# KiCad board Top PCB.kicad_pcb
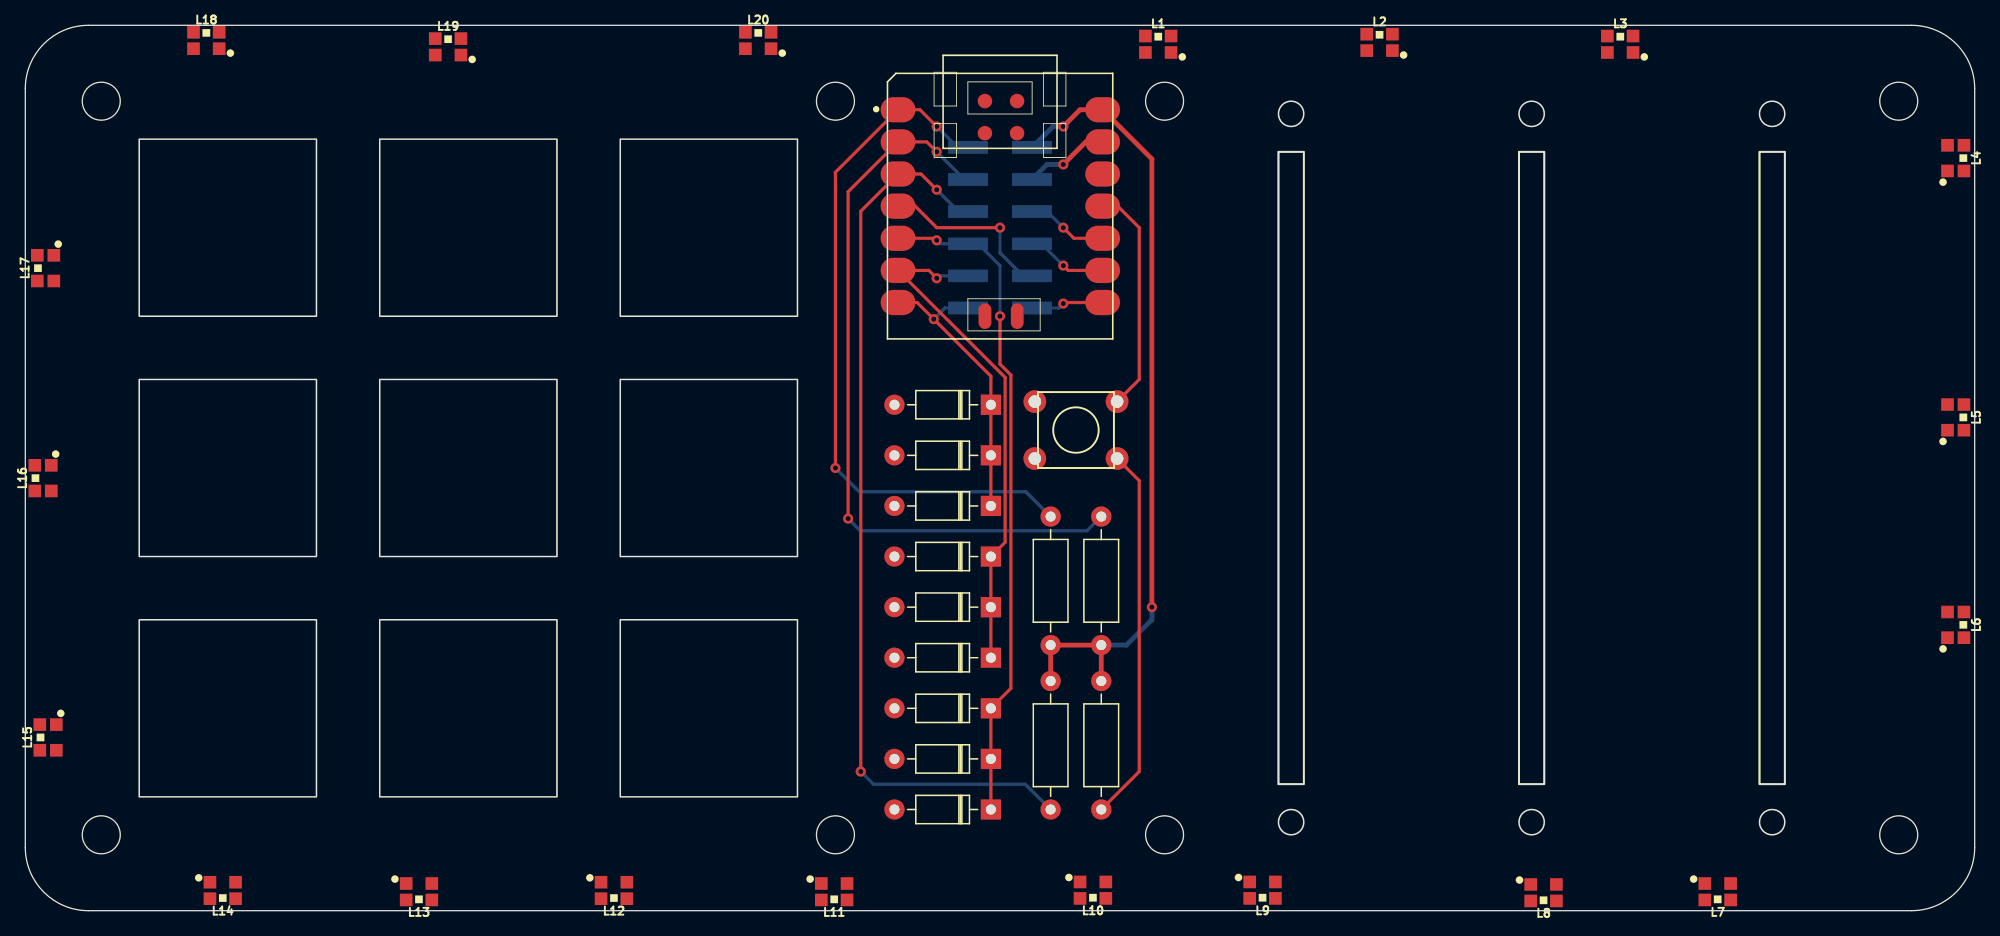
[diagram p0: board, top side]
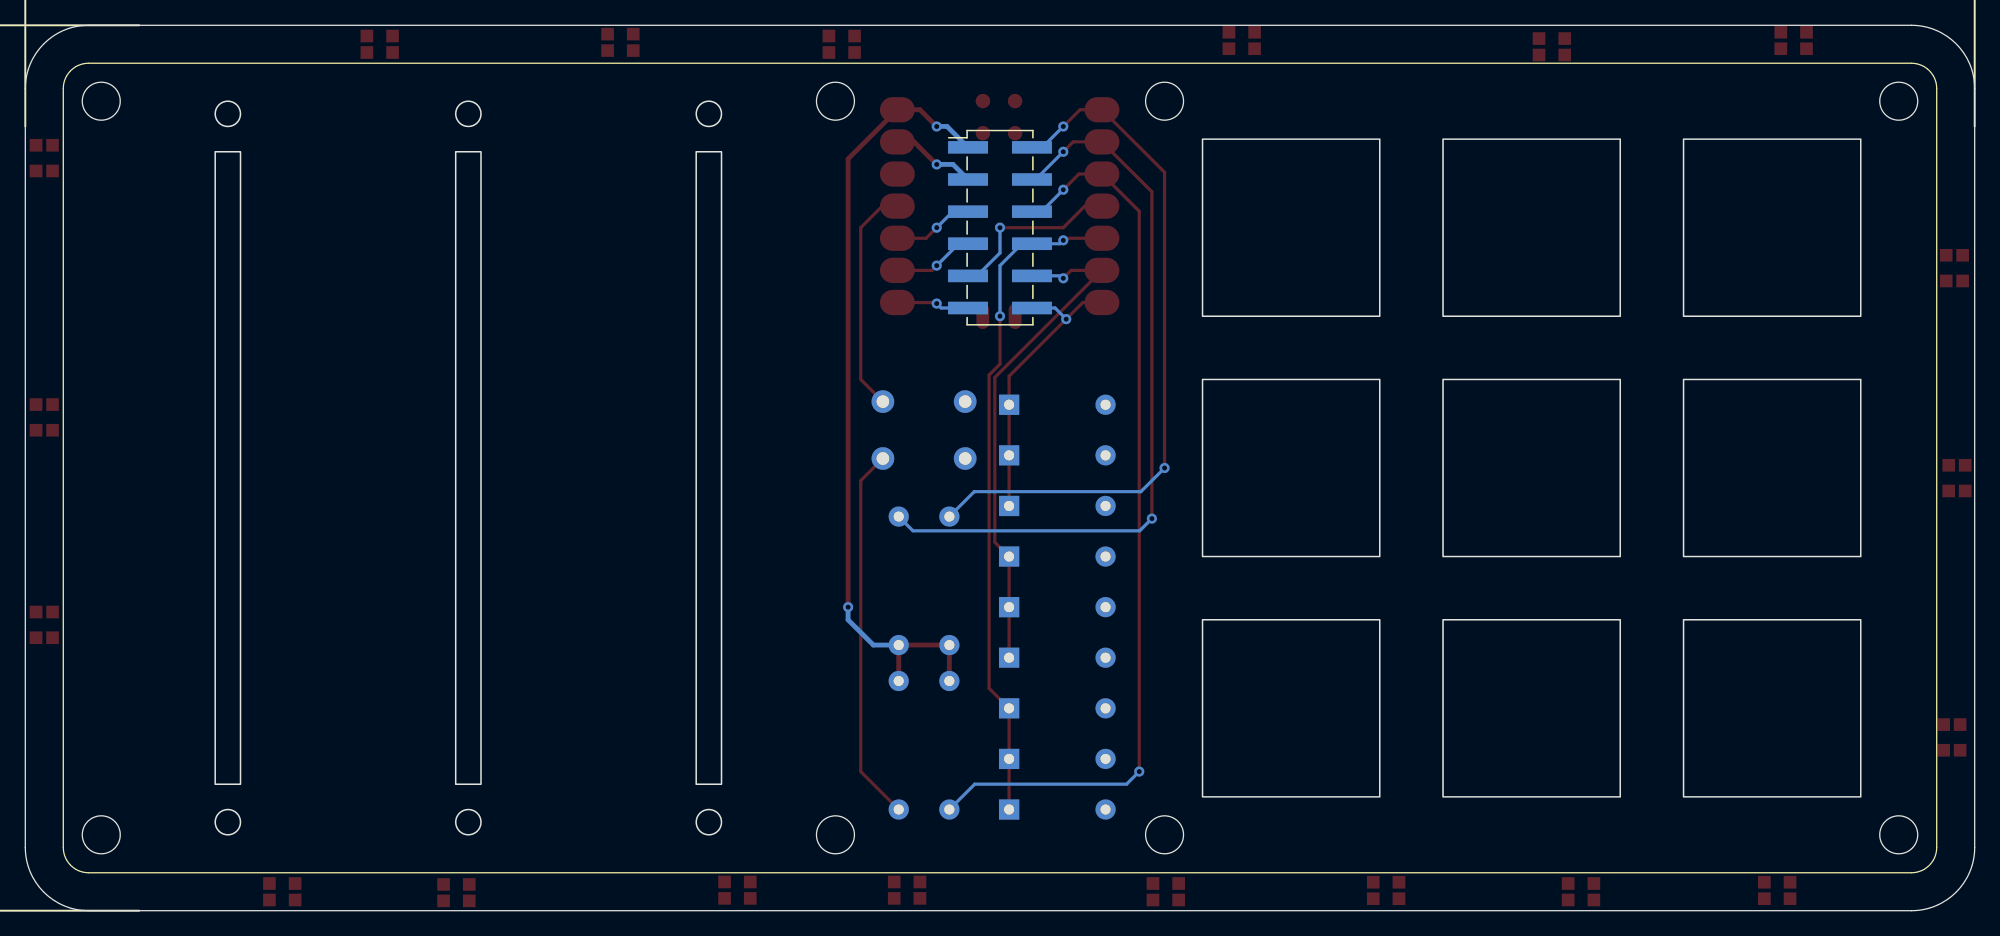
[diagram p1: board, bottom side, seen from below]

Outline 154 x 70 mm; copper layers: Top, Bottom. Coordinates in mm from the lower left corner of the outline.
Outline path: circle c6,64 r1.5 ; circle c6,6 r1.5 ; circle c64,64 r1.5 ; circle c64,6 r1.5 ; circle c90,64 r1.5 ; circle c90,6 r1.5 ; circle c148,64 r1.5 ; circle c148,6 r1.5 ; 0,65 arc(1.46,68.54) 5,70 149,70 arc(152.54,68.54) 154,65 154,5 arc(152.54,1.46) 149,0 5,0 arc(1.46,1.46) 0,5 0,65
Stack: Top 0.035mm / dielectric 1.51mm FR4 er 4.5 / Bottom 0.035mm

## Placement (name value [footprint] x y rotation side)
D1  1N4148  [D_DO-35_SOD27_P7.62mm_Horizontal]  76.28 8 180 top
D2  1N4148  [D_DO-35_SOD27_P7.62mm_Horizontal]  76.28 12 180 top
D3  1N4148  [D_DO-35_SOD27_P7.62mm_Horizontal]  76.28 16 180 top
D4  1N4148  [D_DO-35_SOD27_P7.62mm_Horizontal]  76.28 20 180 top
D5  1N4148  [D_DO-35_SOD27_P7.62mm_Horizontal]  76.28 24 180 top
D6  1N4148  [D_DO-35_SOD27_P7.62mm_Horizontal]  76.28 28 180 top
D7  1N4148  [D_DO-35_SOD27_P7.62mm_Horizontal]  76.28 32 180 top
D8  1N4148  [D_DO-35_SOD27_P7.62mm_Horizontal]  76.28 36 180 top
D9  1N4148  [D_DO-35_SOD27_P7.62mm_Horizontal]  76.28 40 180 top
J1  Conn_02x06_Counter_Clockwise  [PinHeader_2x06_P2.54mm_Vertical_SMD]  77 54 180 bottom
L1  -  [WS2812B-2020]  89.5 68.5 0 top
L2  -  [WS2812B-2020]  106.99 68.65 0 top
L3  -  [WS2812B-2020]  126 68.5 0 top
L4  -  [WS2812B-2020]  152.5 59.5 270 top
L5  -  [WS2812B-2020]  152.5 39 270 top
L6  -  [WS2812B-2020]  152.5 22.6 270 top
L7  -  [WS2812B-2020]  133.7 1.5 180 top
L8  -  [WS2812B-2020]  119.94 1.42 180 top
L9  -  [WS2812B-2020]  97.74 1.62 180 top
L10  -  [WS2812B-2020]  84.34 1.62 180 top
L11  -  [WS2812B-2020]  63.9 1.5 180 top
L12  -  [WS2812B-2020]  46.5 1.6 180 top
L13  -  [WS2812B-2020]  31.1 1.5 180 top
L14  -  [WS2812B-2020]  15.6 1.6 180 top
L15  -  [WS2812B-2020]  1.8 13.7 90 top
L16  -  [WS2812B-2020]  1.4 34.2 90 top
L17  -  [WS2812B-2020]  1.6 50.8 90 top
L18  -  [WS2812B-2020]  14.3 68.8 0 top
L19  -  [WS2812B-2020]  33.4 68.3 0 top
L20  -  [WS2812B-2020]  57.9 68.8 0 top
MX1  MX-NoLED  [Cherry Cutout]  16 54 0 top
MX2  MX-NoLED  [Cherry Cutout]  16 35 0 top
MX3  MX-NoLED  [Cherry Cutout]  16 16 0 top
MX4  MX-NoLED  [Cherry Cutout]  35 54 0 top
MX5  MX-NoLED  [Cherry Cutout]  35 35 0 top
MX6  MX-NoLED  [Cherry Cutout]  35 16 0 top
MX7  MX-NoLED  [Cherry Cutout]  54 54 0 top
MX8  MX-NoLED  [Cherry Cutout]  54 35 0 top
MX9  MX-NoLED  [Cherry Cutout]  54 16 0 top
R1  10k  [R_Axial_DIN0207_L6.3mm_D2.5mm_P10.16mm_Horizontal]  81 8 90 top
R2  10k  [R_Axial_DIN0207_L6.3mm_D2.5mm_P10.16mm_Horizontal]  81 21 90 top
R3  10k  [R_Axial_DIN0207_L6.3mm_D2.5mm_P10.16mm_Horizontal]  85 21 90 top
R4  10k  [R_Axial_DIN0207_L6.3mm_D2.5mm_P10.16mm_Horizontal]  85 8 90 top
R6  PTA4543-2015DPB103  [Slide Pot Cutout]  100 35 0 top
R7  PTA4543-2015DPB103  [Slide Pot Cutout]  119 35 0 top
R8  PTA4543-2015DPB103  [Slide Pot Cutout]  138 35 0 top
SW1  SW_MEC_5G  [PushButton_6x6mm_TH_Pretty]  83 38 0 top
U1  SeeeduinoXIAO  [Seeeduino XIAO-MOUDLE14P-2.54-21X17.8MM]  77 56 0 top

## Library data of the parts
D1 D5 D8 D9 = -: Field4: K; Field6: K
D2-D4 D6 D7 = -: Field4: K; Field5: K
L1-L20 = -: LCSC: C965555
R6-R8 = -: MANUFACTURER: Bourns; MAXIMUM_PACKAGE_HEIGHT: 21.5 mm; PARTREV: 04/21; STANDARD: Manufacturer Recommendations

## Footprints (pads in the part's own frame, mm; a bottom-side part is the same pattern mirrored in y, then rotated)
D_DO-35_SOD27_P7.62mm_Horizontal
  rect 1.6x1.6 hole 0.8: 1(0,0)
  oval 1.6x1.6 hole 0.8: 2(7.62,0)
PinHeader_2x06_P2.54mm_Vertical_SMD
  rect 3.15x1 smd: 1(-2.525,6.35) 2(2.525,6.35) 3(-2.525,3.81) 4(2.525,3.81) 5(-2.525,1.27) 6(2.525,1.27) 7(-2.525,-1.27) 8(2.525,-1.27) 9(-2.525,-3.81) 10(2.525,-3.81) 11(-2.525,-6.35) 12(2.525,-6.35)
PushButton_6x6mm_TH_Pretty
  round 1.8 hole 1: 1(3.25,2.25) 2(-3.25,-2.25) 3(3.25,-2.25) 4(-3.25,2.25)
R_Axial_DIN0207_L6.3mm_D2.5mm_P10.16mm_Horizontal
  round 1.6 hole 0.8: 1(0,0)
  oval 1.6x1.6 hole 0.8: 2(10.16,0)
Seeeduino XIAO-MOUDLE14P-2.54-21X17.8MM
  oval 2.748x1.999 smd: 1(-8.057,7.323) 2(-8.057,4.783) 3(-8.057,2.243) 4(-8.057,-0.297) 5(-8.057,-2.837) 6(-8.057,-5.377) 7(-8.057,-7.917) 8(8.108,-7.917) 9(8.108,-5.377) 10(8.108,-2.837) 11(8.108,-0.297) 12(8.108,2.243) 13(8.108,4.783) 14(8.108,7.323)
  oval 1.016x2.032 smd: 15(-1.19,-8.995) 16(1.36,-8.995)
  round 1.143 smd: 17(-1.191,8.009) 18(1.349,8.009) 19(-1.191,5.469) 20(1.349,5.469)
WS2812B-2020
  rect 1x1 smd: 1(1.015,-0.65) 2(1.015,0.65) 3(-1.015,0.65) 4(-1.015,-0.65)

## Nets
+5V: J1.1 L1.4 L2.4 L3.4 L4.4 L5.4 L6.4 L7.4 L8.4 L9.4 L10.4 L11.4 L12.4 L13.4 L14.4 L15.4 L16.4 L17.4 L18.4 L19.4 L20.4 R1.2 R2.1 R3.1 R4.2 U1.14
GND: J1.3 L1.2 L2.2 L3.2 L4.2 L5.2 L6.2 L7.2 L8.2 L9.2 L10.2 L11.2 L12.2 L13.2 L14.2 L15.2 L16.2 L17.2 L18.2 L19.2 L20.2 U1.13
A0: J1.5 U1.10
A1: J1.7 U1.9
A2: J1.11 U1.8
C0: J1.2 R2.2 U1.1
C1: J1.4 R3.2 U1.2
C2: J1.6 R1.1 U1.3
DLED: L1.3 U1.4
DLEDOUT: J1.9 L16.1
R0: D1.1 D2.1 D3.1 J1.8 U1.5
R1: D4.1 D5.1 D6.1 J1.10 U1.6
R2: D7.1 D8.1 D9.1 J1.12 U1.7
Net-(D1-Pad2): D1.2
Net-(D2-Pad2): D2.2
Net-(D3-Pad2): D3.2
Net-(D4-Pad2): D4.2
Net-(D5-Pad2): D5.2
Net-(D6-Pad2): D6.2
Net-(D7-Pad2): D7.2
Net-(D8-Pad2): D8.2
Net-(D9-Pad2): D9.2
Net-(L1-Pad1): L1.1 L2.3
Net-(L2-Pad1): L2.1 L3.3
Net-(L3-Pad1): L3.1 L4.3
Net-(L4-Pad1): L4.1 L5.3
Net-(L5-Pad1): L5.1 L10.3
Net-(L6-Pad1): L6.1 L11.3
Net-(L6-Pad3): L6.3 L7.1
Net-(L7-Pad3): L7.3 L8.1
Net-(L8-Pad3): L8.3 L9.1
Net-(L9-Pad3): L9.3 L10.1
Net-(L11-Pad1): L11.1 L12.3
Net-(L13-Pad1): L13.1 L14.3
Net-(L13-Pad3): L12.1 L13.3
Net-(L14-Pad1): L14.1 L15.3
Net-(L15-Pad1): L15.1 L20.3
Net-(L16-Pad3): L16.3 L17.1
Net-(L17-Pad3): L17.3 L18.1
Net-(L18-Pad3): L18.3 L19.1
Net-(L19-Pad3): L19.3 L20.1
Net-(R4-Pad1): R4.1 SW1.3 SW1.4
Net-(SW1-Pad1): SW1.1 SW1.2 U1.11

Pads without a net: U1 12 15 16 17 18 19 20

## Via types
v1: diameter 0.8, hole 0.4, Top to Bottom, 17 vias

## Routing (per net, layer and track width the routed paths; a pad name or vN(x,y) marks a point on that pad's centre or on a via; arc(x,y) is an arc through that point)
+5V: length 63.3
  Top w0.381: v1(82,62) 83.32,63.32 U1.14 89,59.43 v1(89,24) ; R1.2 R2.1 R3.1 R4.2
  Bottom w0.381: J1.1 81.18,62 v1(82,62) ; v1(89,24) 89,23 87,21 R3.1
GND: length 6.8
  Top w0.381: U1.13 83.78,60.78 v1(82,59)
  Bottom w0.381: v1(82,59) 80.72,59 J1.3
A0: length 6.5
  Top w0.254: v1(82,54) 82.84,53.16 U1.10
  Bottom w0.254: J1.5 80.73,55.27 v1(82,54)
A1: length 6.5
  Top w0.254: v1(82,51) 82.38,50.62 U1.9
  Bottom w0.254: J1.7 80.27,52.73 v1(82,51)
A2: length 5.8
  Top w0.254: v1(82,48) 82.08,48.08 U1.8
  Bottom w0.254: v1(82,48) 81.65,47.65 J1.11
C0: length 55.7
  Top w0.254: v1(72,62) 70.68,63.32 U1.1 64,58.38 v1(64,35)
  Bottom w0.254: J1.2 73.65,60.35 v1(72,62) ; R2.2 79.03,33.13 65.87,33.13 v1(64,35)
C1: length 59
  Top w0.254: v1(72,60) 71.22,60.78 U1.2 65,56.84 v1(65,31)
  Bottom w0.254: J1.4 74.19,57.81 v1(72,60) ; v1(65,31) 65.97,30.03 83.87,30.03 R3.2
C2: length 71.5
  Top w0.254: v1(72,57) 70.76,58.24 U1.3 66,55.3 v1(66,11)
  Bottom w0.254: v1(72,57) 73.73,55.27 J1.6 ; v1(66,11) 67,10 79,10 R1.1
DLED: length 14
  Top w0.254: v1(77,54) 72,54 70.3,55.7 U1.4
  Bottom w0.254: 79.53,50.19 78.81,50.19 77,52 v1(77,54)
R0: length 53
  Top w0.254: v1(77,47) 77,43.21 77.86,42.35 77.86,17.58 D3.1 D2.1 D1.1 ; v1(72,53) 71.84,53.16 U1.5
  Bottom w0.254: v1(72,53) 72.27,52.73 J1.8 75.27,52.73 77,51 v1(77,47)
R1: length 40.5
  Top w0.254: D4.1 D5.1 D6.1 77.41,29.13 77.41,42.16 U1.6 71.38,50.62 v1(72,50)
  Bottom w0.254: v1(72,50) 72.19,50.19 J1.10
R2: length 23.1
  Top w0.254: U1.7 70.46,48.08 v1(71.77,46.77) 76.28,42.26 D9.1 D8.1 D7.1
  Bottom w0.254: J1.12 72.65,47.65 v1(71.77,46.77)
Net-(L3-Pad1): length 0.2
  Top w0.254: L3.1 127.15,67.85 127.2,67.8
Net-(R4-Pad1): length 29.7
  Top w0.254: R4.1 88,11 88,34 SW1.3
Net-(SW1-Pad1): length 18.1
  Top w0.254: SW1.1 88,42 88,54 86.3,55.7 U1.11
